# Altium PCB PCB2_dirt_routed.PcbDoc (part 1 of 2)
Units mm, origin at the board's own origin, x right, y up, seen from the top; angles counter-clockwise.
Board outline 72 x 72 mm, 4 copper layers (Top Layer, Signal Layer 1, Signal Layer 2, Bottom Layer), stack 0.778 mm thick; 110 components, 127 nets, 562 pads, 275 vias.
Unrouted connection lines stored in the file: 10.
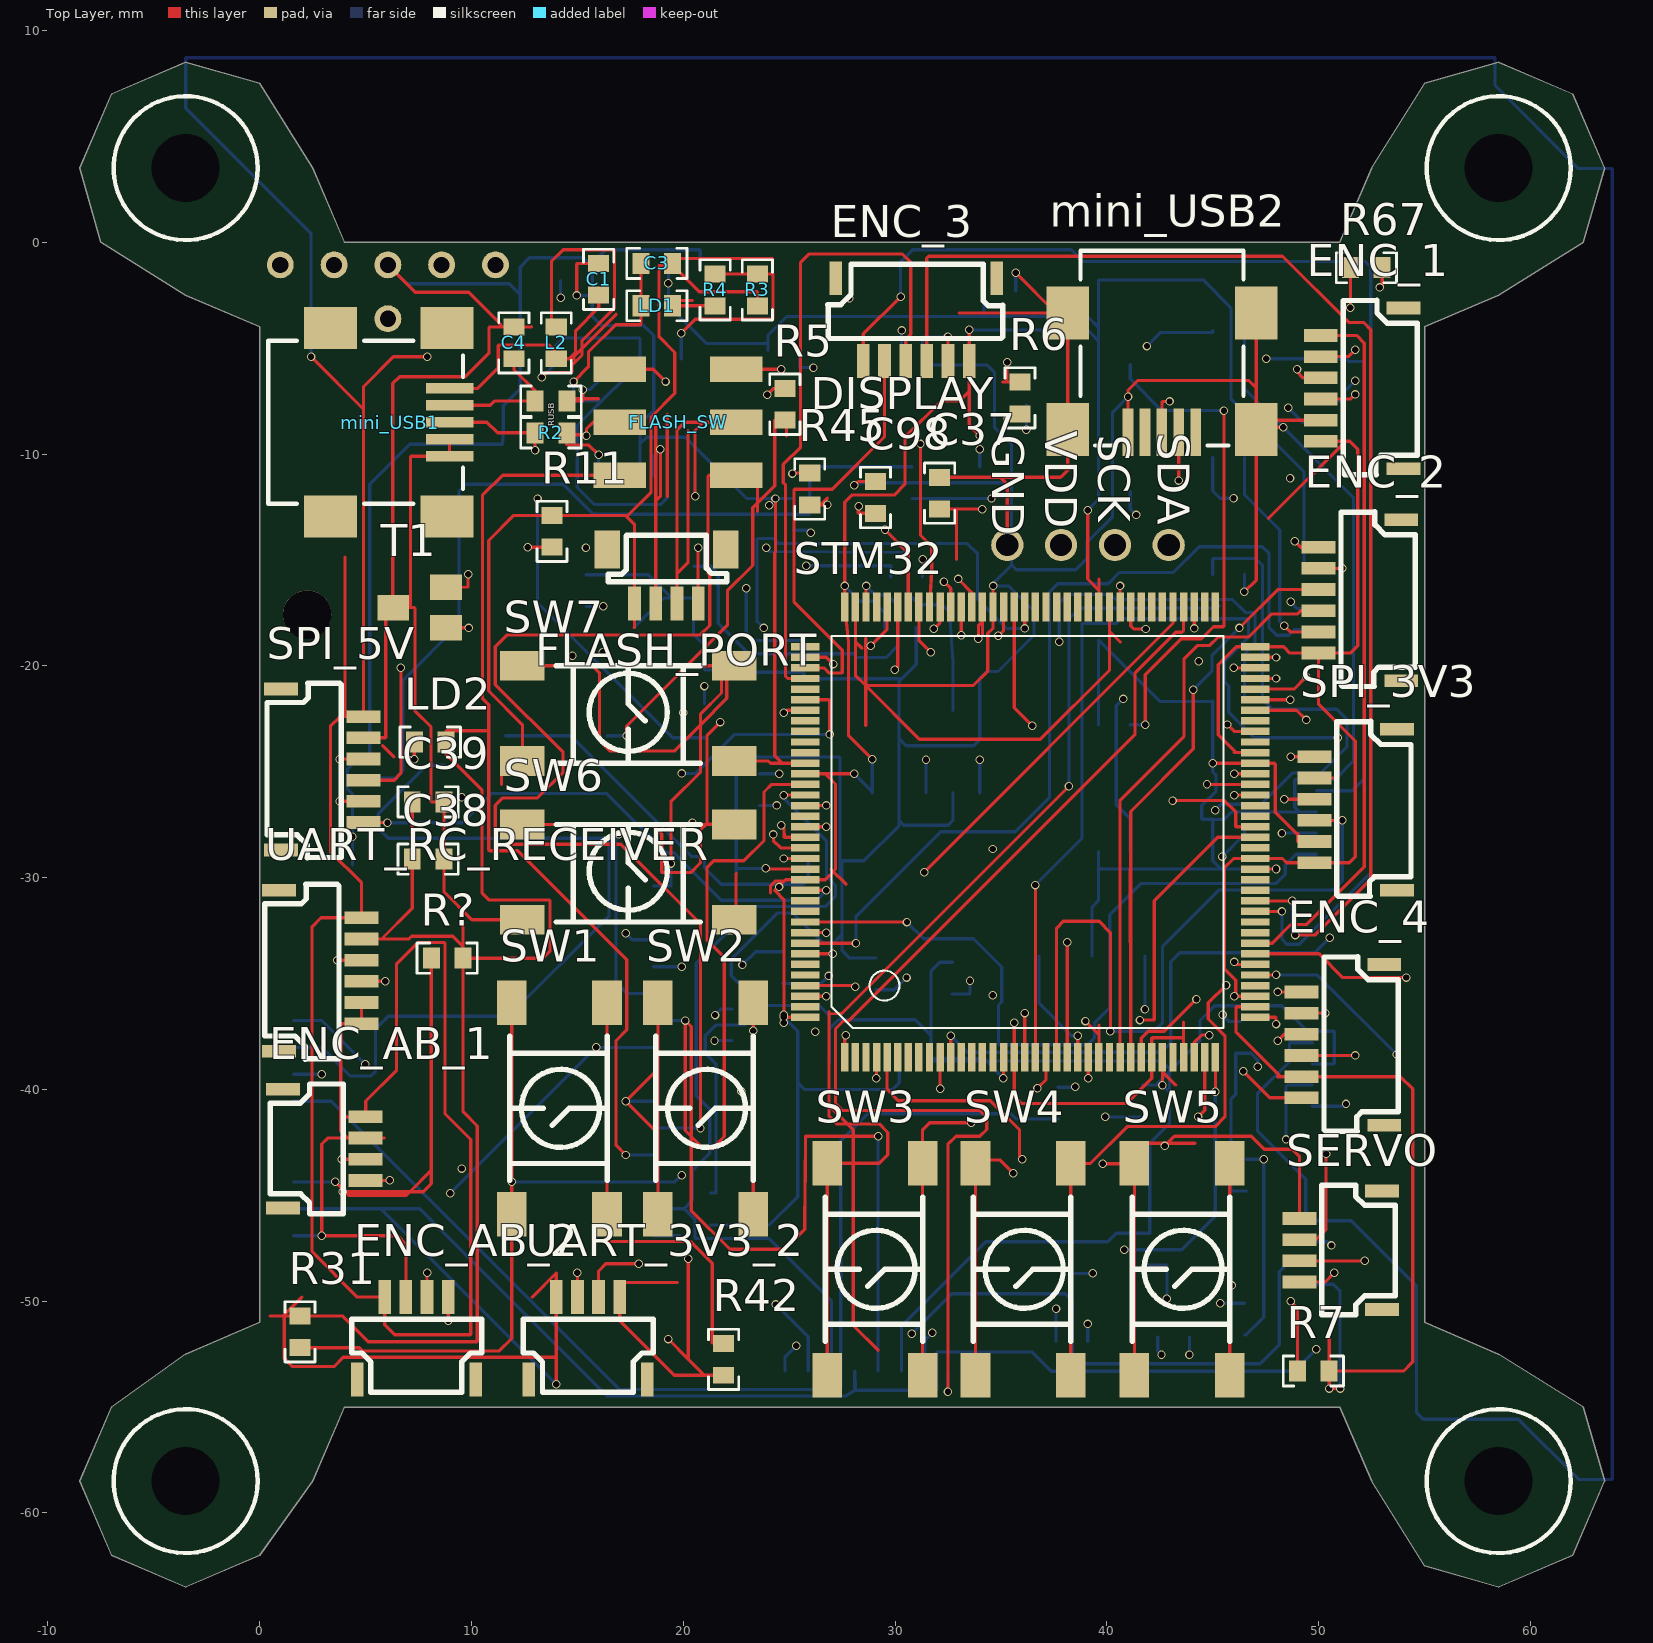
[diagram p0: Top Layer view]
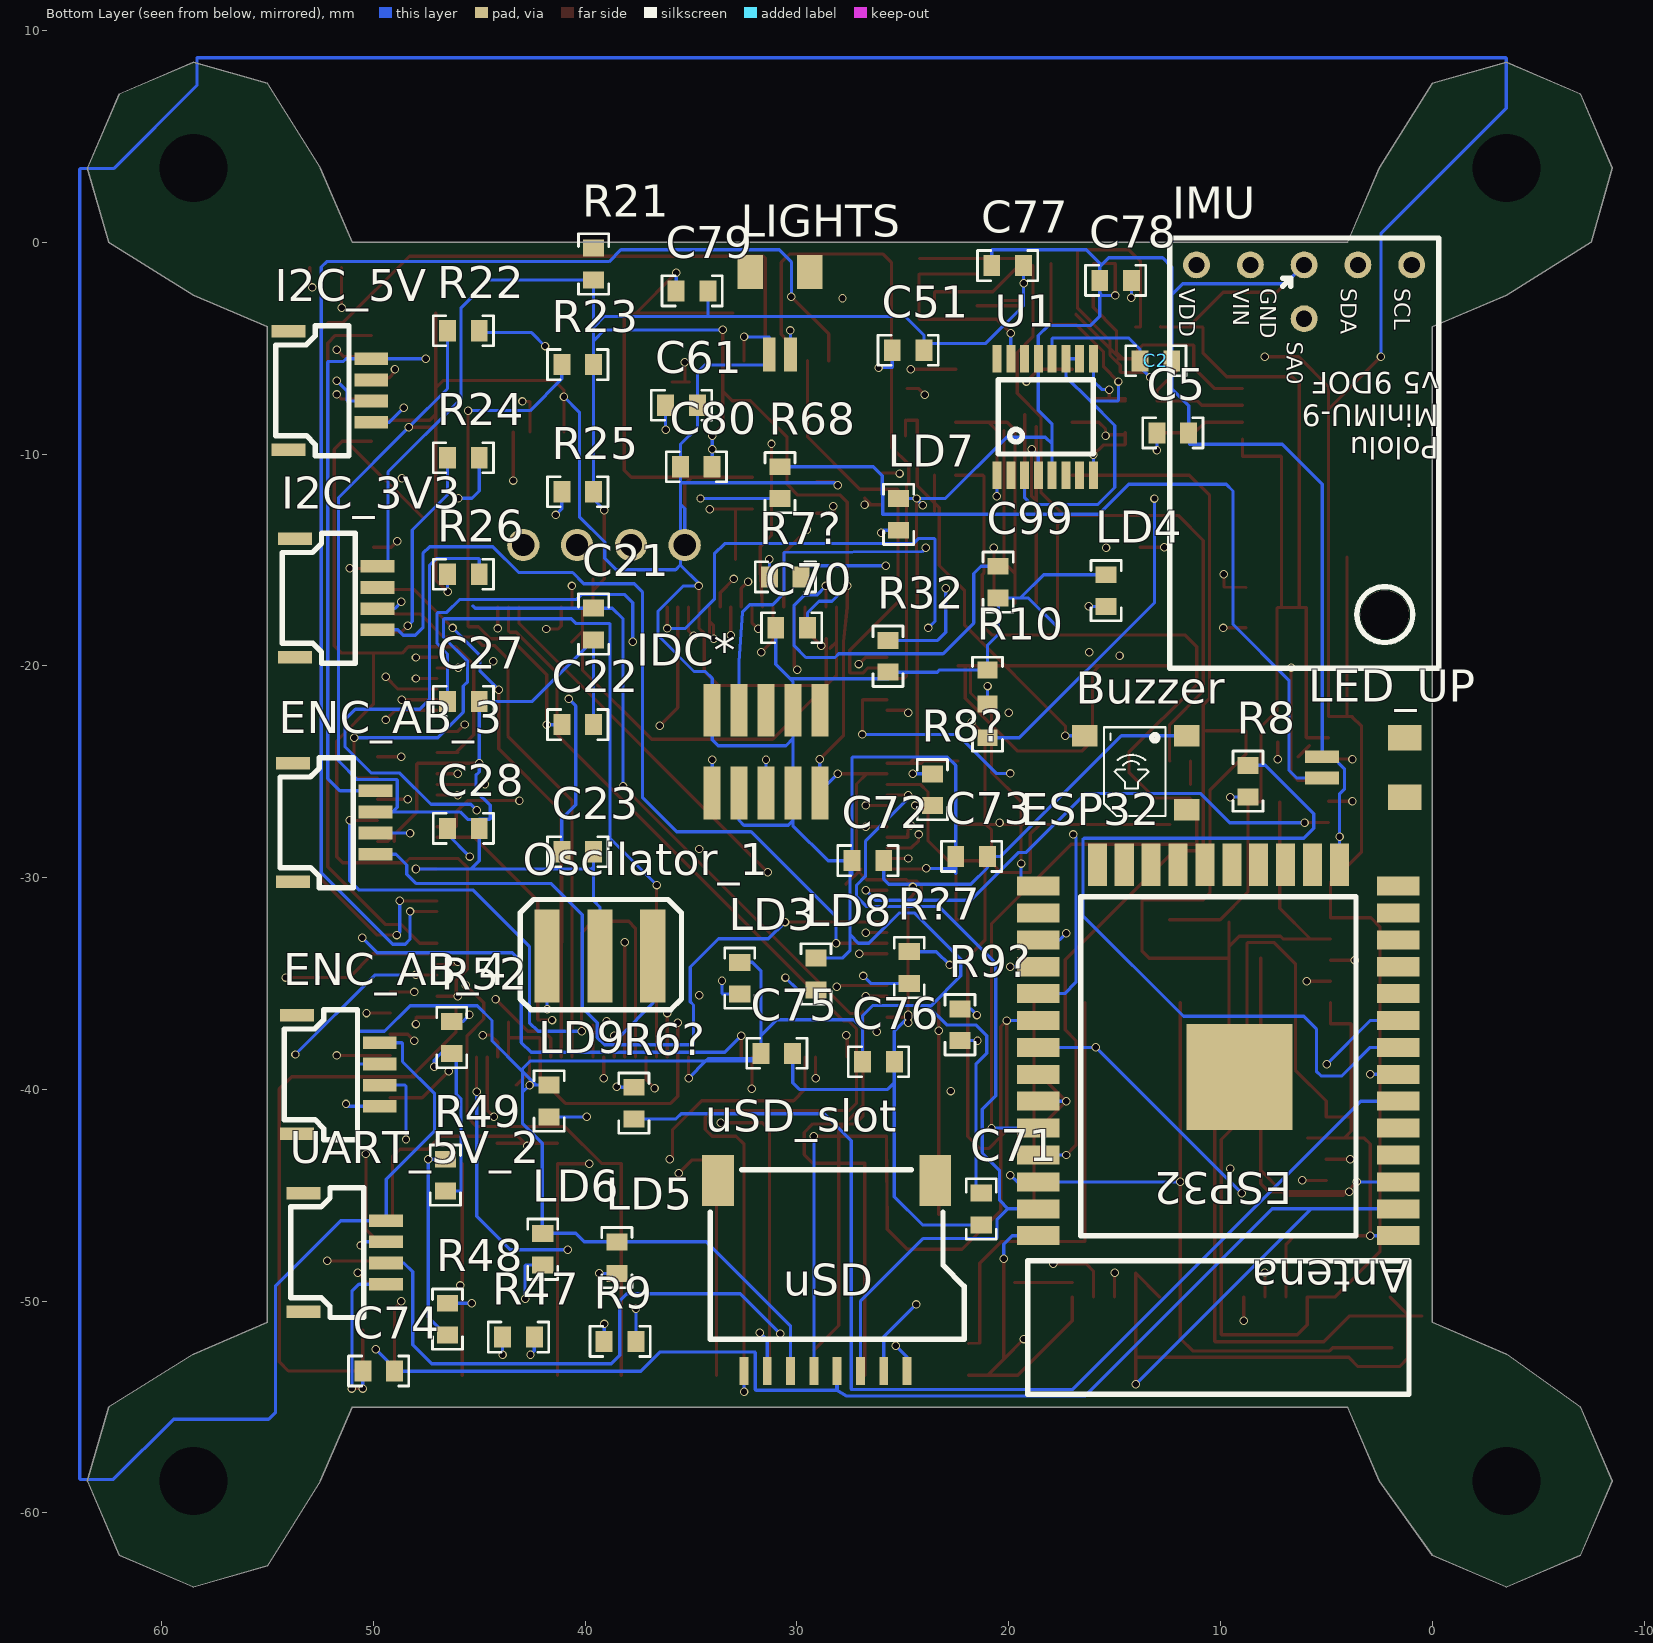
[diagram p1: Bottom Layer view, seen from below]
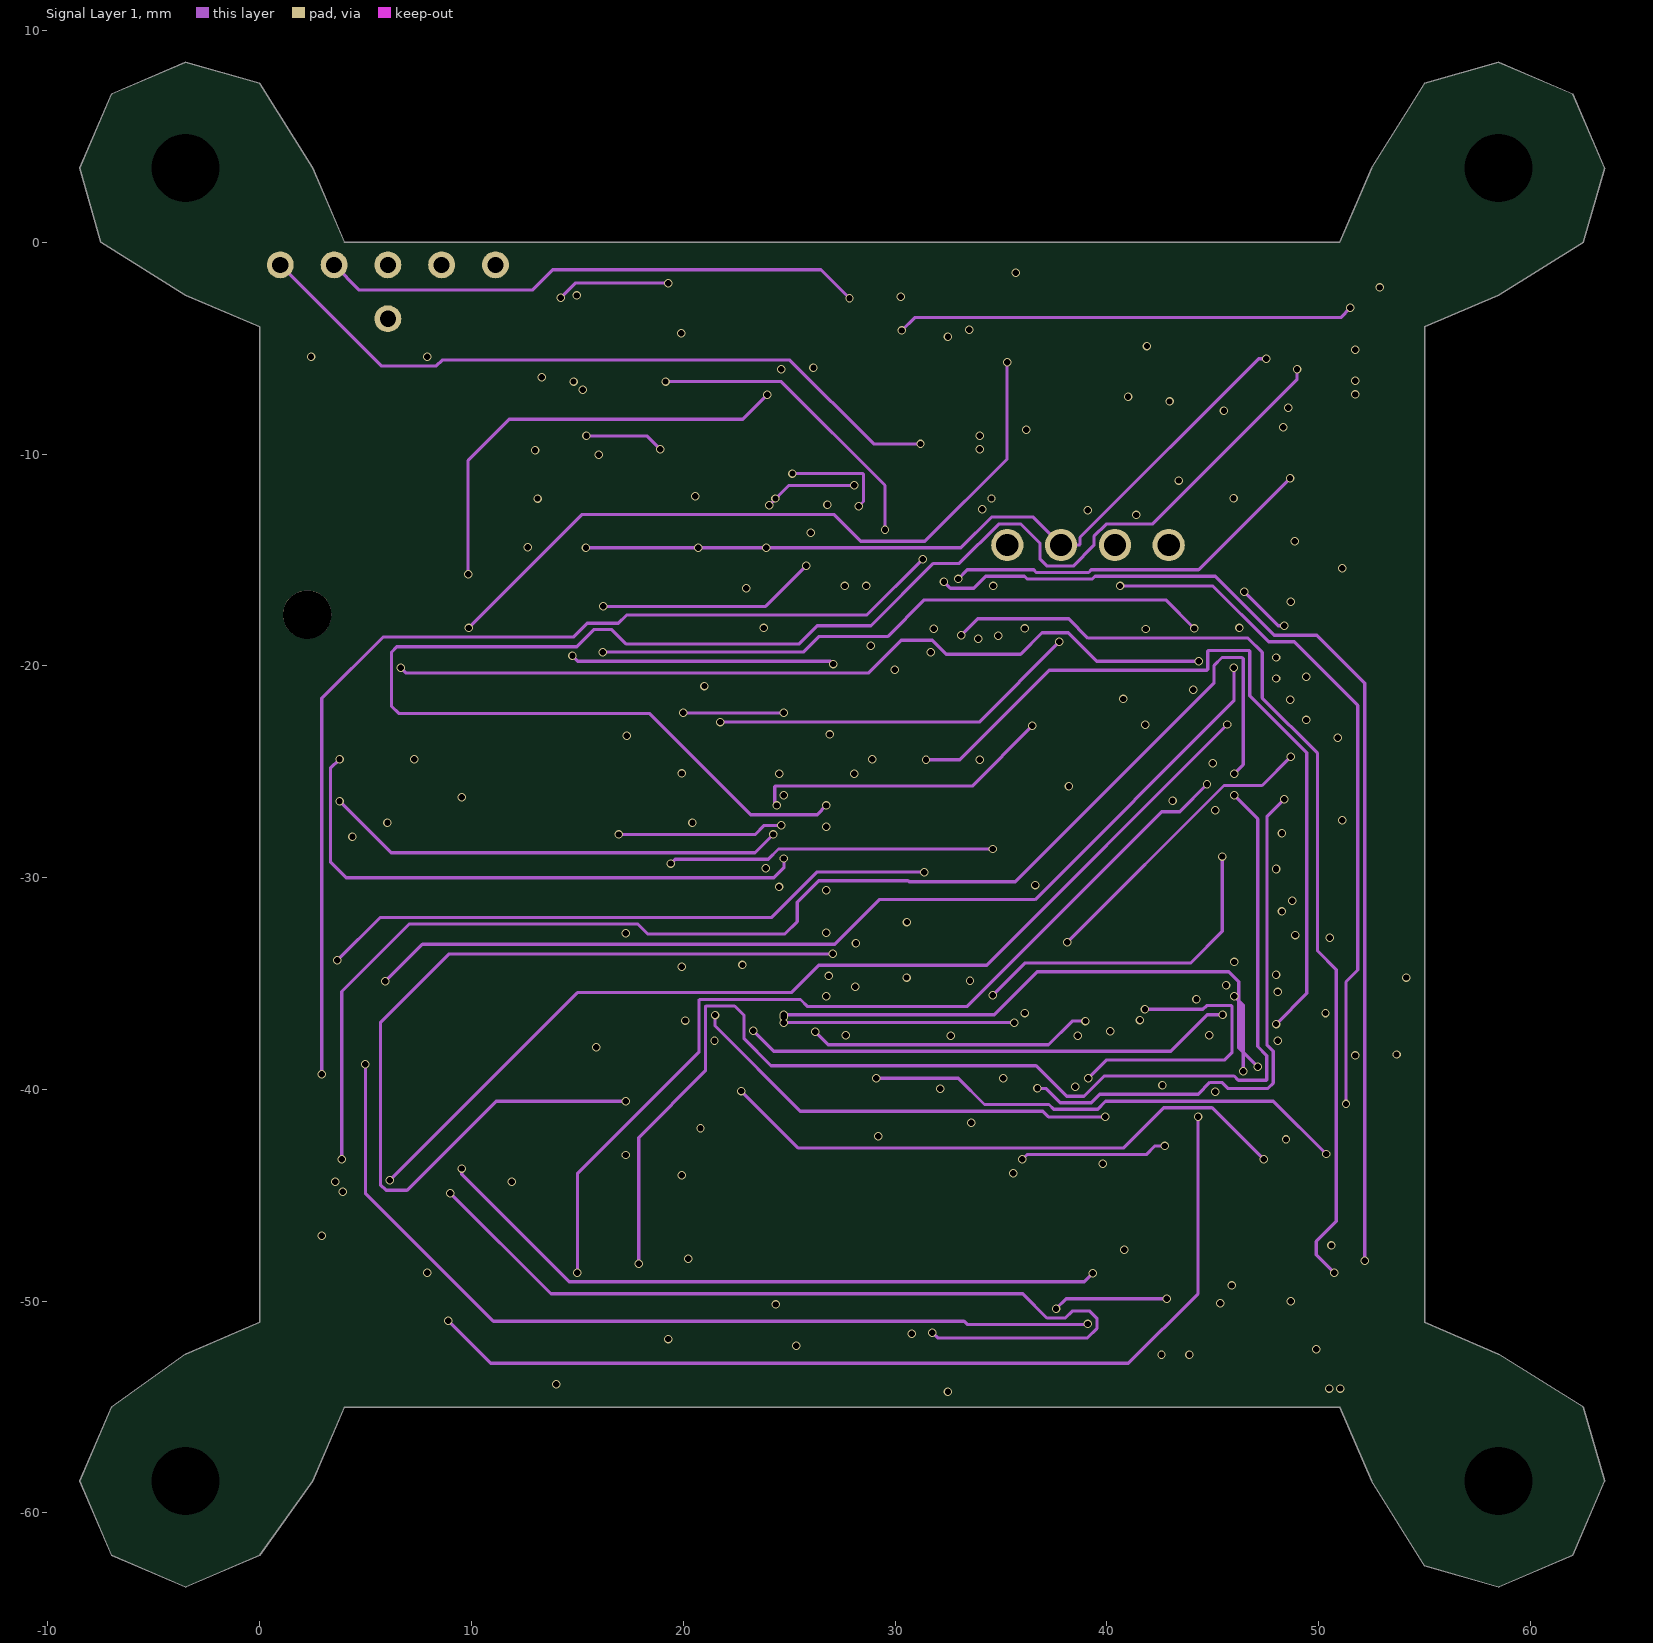
[diagram p2: Signal Layer 1]
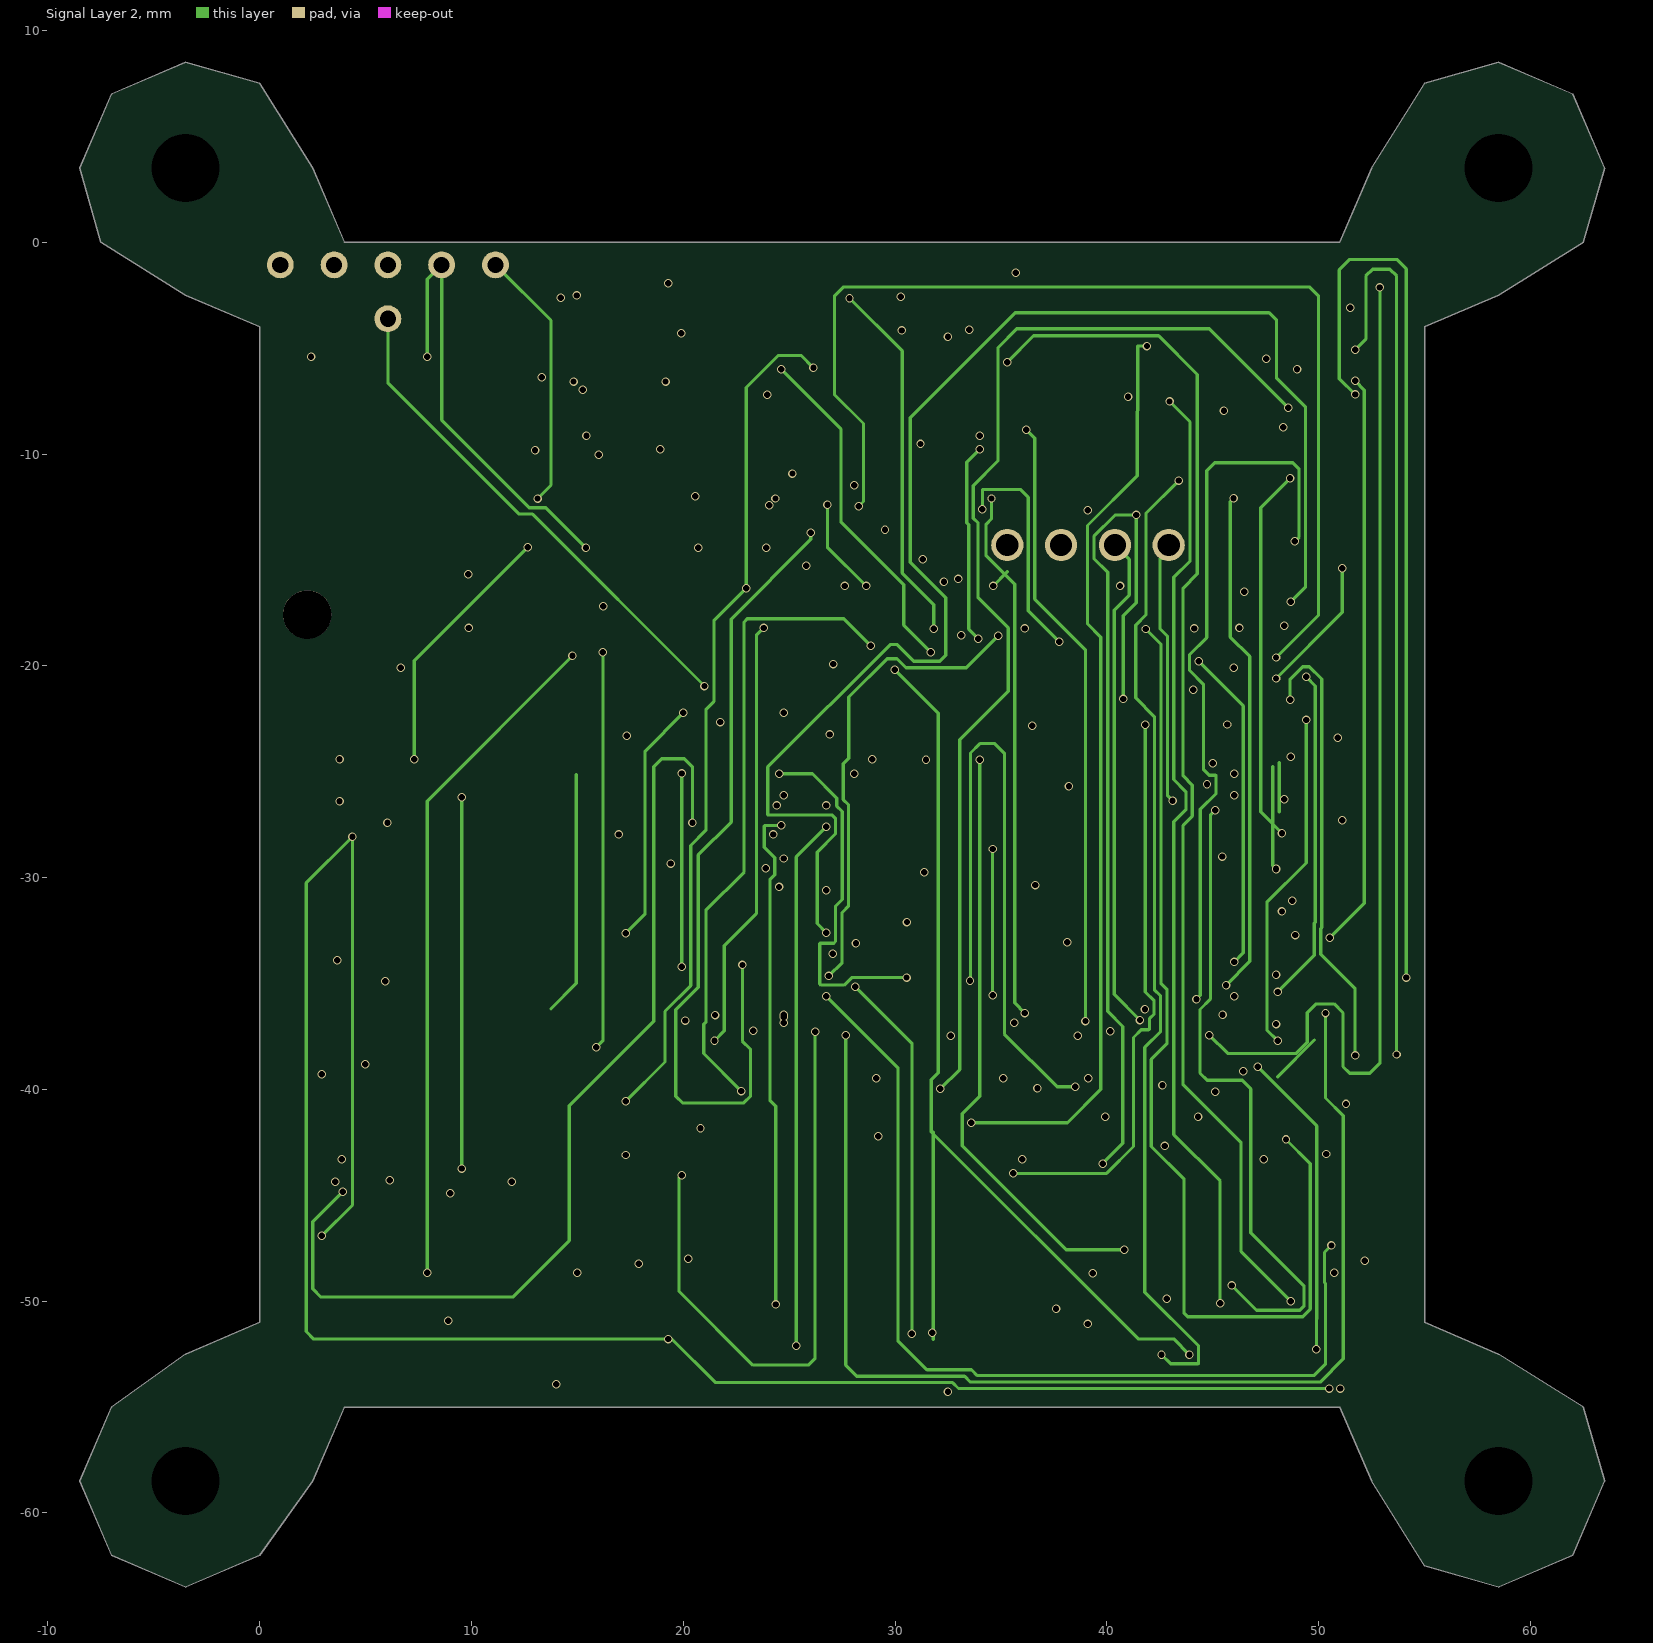
[diagram p3: Signal Layer 2]

## Layer stack, top to bottom
Top Solder: solder mask 0.0102, Solder Resist, Dk 3.5
Top Layer: signal copper 0.0356
Dielectric 1: core 0.254, FR-4, Dk 4.2
Signal Layer 1: signal copper 0.036
Dielectric 3: prepreg 0.127, Dk 4.2
Signal Layer 2: signal copper 0.036
Dielectric 2: core 0.254, Dk 4.2
Bottom Layer: signal copper 0.0356
Bottom Solder: solder mask 0.0102, Solder Resist, Dk 3.5

## Board outline
-7,-62 -3.5,-63.5 0,-62 2.5,-58.5 4,-55 51,-55 52.5,-58.5 55,-62.5 58.5,-63.5 62,-62 63.5,-58.5 62.5,-55 58.5,-52.5 55,-51 55,-4 58.5,-2.5 62.5,0 63.5,3.5 62,7 58.5,8.5 55,7.5 52.5,3.5 51,0 4,0 2.5,3.5 0,7.5 -3.5,8.5 -7,7 -8.5,3.5 -7.5,0 -3.5,-2.5 0,-4 0,-51 -3.5,-52.5 -7,-55 -8.5,-58.5

## Design rules (kind name [scope] priority, off if disabled: settings)
Clearance [All] p1: gap=0.152
PolygonConnect [All] p1: connectstyle=Relief reliefconductorwidth=0.254 reliefentries=4 polygonreliefangle="90 Angle" airgapwidth=0.254
RoutingVias [All] p1: holewidth=0.3 width=0.4 viastyle="Through Hole" minholewidth=0.3 minwidth=0.4 maxholewidth=0.5 maxwidth=0.6
SolderMaskExpansion [All] p1: expansion=0.102
Width [All] p1: maxlimit=0.254 minlimit=0.152 preferedwidth=0.152 minimp=50.000000 maximp=50.000000 favimp=50.000000
30 further rules are at their usual default settings.

## Components (designator, comment, footprint, x,y, rotation, side; value= is the part's Value field where it differs from the comment)
Buzzer "magnectic_buzzer" SMT-0540-S-R 11.6,-23.3 r90 bottom
C1 "0u1" 0603 16,-1 r270 top
C2 "10u" 0603 12.3,-5.6 r0 bottom
C3 "0u1" 0603 18,-1 r0 top
C4 "47p" 0603 12,-5.5 r90 top
C5 "47p" 0603 13,-9 r180 bottom
C21 "100n" 0603 39.6,-17.279 r270 bottom
C22 "100n" 0603 41.1,-22.779 r180 bottom
C23 "100n" 0603 41.1,-28.779 r180 bottom
C27 "0.1uF" 0603 46.5,-21.679 r180 bottom
C28 "0.1uF" 0603 46.5,-27.679 r180 bottom
C37 "0.1uF" 0603 32.1,-12.6 r90 top
C38 "22uF" 0603 8.7,-29.125 r180 top
C39 "0.1uF" 0603 8.7,-26.425 r180 top
C51 "100n" 0603 25.5,-5.1 r180 bottom
C61 "100n" 0603 36.2,-7.7 r180 bottom
C70 "4u7" 0603 31,-18.2 r180 bottom
C71 "100n" 0603 21.3,-44.9 r270 bottom
C72 "100n" 0603 27.4,-29.2 r180 bottom
C73 "100n" 0603 22.5,-29 r180 bottom
C74 "100n" 0603 50.5,-53.3 r180 bottom
C75 "100n" 0603 31.7,-38.3 r180 bottom
C76 "100n" 0603 26.9,-38.7 r180 bottom
C77 "100n" 0603 20.8,-1.1 r180 bottom
C78 "100n" 0603 15.7,-1.8 r180 bottom
C79 "100n" 0603 35.7,-2.3 r180 bottom
C80 "100n" 0603 35.5,-10.6 r180 bottom
C98 "C2u2-ESRmax2" 0603 29.075,-12.8 r90 top
C99 "C2u2-ESRmax2" 0603 20.5,-16.8 r90 bottom
DISPLAY "SSD1306" SSD1306 35.3,-14.3 r0 top
ENC_1 "SPI_1" "JST SR SH 1.0 - 6PIN" 54,-10.7 r90 top
ENC_2 "SPI_2" "JST SR SH 1.0 - 6PIN" 53.9,-20.7 r90 top
ENC_3 "SPI_3" "JST SR SH 1.0 - 6PIN" 34.8,-1.7 r180 top
ENC_4 "SPI_4" "JST SR SH 1.0 - 6PIN" 53.1,-41.7 r90 top
ENC_AB_1 "4 PIN CONNECTOR" "JST SR SH 1.0 - 4PIN" 1.1,-40 r270 top
ENC_AB_2 "4 PIN CONNECTOR" "JST SR SH 1.0 - 4PIN" 4.6,-53.7 r0 top
ENC_AB_3 "4 PIN CONNECTOR" "JST SR SH 1.0 - 4PIN" 53.8,-24.6 r270 bottom
ENC_AB_4 "4 PIN CONNECTOR" "JST SR SH 1.0 - 4PIN" 53.6,-36.5 r270 bottom
ESP32 "ESP-WROOM-32" ESP-WROOM-32 10.1,-30.4 r0 bottom
FLASH_PORT "UART_1" "JST SR SH 1.0 TOP - 4PIN" 22,-14.5 r180 top
FLASH_SW "DPDT_C&K" JS202011SCQN_C&K 22.5,-6 r270 top (schematic designator SW_DPDT_USER_USB)
I2C_3V3 "I2C_1" "JST SR SH 1.0 - 4PIN" 53.7,-14 r270 bottom
I2C_5V "I2C_2" "JST SR SH 1.0 - 4PIN" 54,-4.2 r270 bottom
IDC* "IDC" IDC_10_1.27 34,-26 r180 bottom
IMU "MinIMU-9 v5 9DOF" "MinIMU-9 v5 9DOF - GOLDPINS" 12.4,0.2 r0 bottom
L2 "1u" R0603 14,-5.5 r90 top
LD1 "GREEN" 0603 18,-3 r0 top
LD2 "GREEN" 0603 8.8,-23.6 r180 top
LD3 "BLUE_BT" 0603 32.7,-35.5 r90 bottom
LD4 "BLUE_WIFI" 0603 15.4,-17.2 r90 bottom
LD5 "BLUE_STM" 0603 38.5,-48.7 r90 bottom
LD6 "RED_FAULT" 0603 42,-48.3 r90 bottom
LD7 "BLUE_WIFI" 0603 25.2,-13.6 r90 bottom
LD8 "BLUE_STM" 0603 29.1,-35.3 r90 bottom
LD9 "RED_FAULT" 0603 41.7,-41.3 r90 bottom
LED_UP "2 PIN CONNECTOR" "JST SR SH 1.0 - 2pin" 1.3,-26.2 r90 bottom
LIGHTS "2 PIN CONNECTOR" "JST SR SH 1.0 - 2pin" 29.4,-1.4 r0 bottom
mini_USB1 "651305142821" 651305142821 5,-8.5 r270 top
mini_USB2 "651305142821" 651305142821 42.6,-5 r180 top
Oscilator_1 "CSTCC8M00G53-R0" CSTCC8M00G53-R0 41.8,-33.7 r180 bottom
R2 "27" R0603 14.5,-9 r180 top
R3 "3k3" R0603 23.5,-1.5 r270 top
R4 "220" R0603 21.5,-3 r90 top
R5 "27" R0603 24.8,-8.4 r90 top
R6 "1k" R0603 35.9,-8.1 r90 top
R6? "220" R0603 37.7,-41.4 r90 bottom
R7 "10k" R0603 50.5,-53.3 r180 top
R7? "220" R0603 31.3,-15.8 r180 bottom
R8 "220" R0603 8.7,-24.7 r270 bottom
R8? "220" R0603 23.6,-26.6 r90 bottom
R9 "220" R0603 39.1,-51.9 r180 bottom
R9? "220" R0603 22.3,-37.7 r90 bottom
R10 "10k" "R0603 - double" 21,-21.8 r90 bottom
R11 "220" R0603 13.8,-14.4 r90 top
R21 "10k" R0603 39.6,-0.279 r270 bottom
R22 "330" R0603 46.5,-4.179 r180 bottom
R23 "10k" R0603 41.1,-5.779 r180 bottom
R24 "330" R0603 46.5,-10.179 r180 bottom
R25 "10k" R0603 41.1,-11.779 r180 bottom
R26 "330" R0603 46.5,-15.679 r180 bottom
R31 "10k" R0603 1.9,-52.2 r90 top
R32 "10k" R0603 25.7,-20.3 r90 bottom
R42 "330" R0603 21.9,-53.5 r90 top
R45 "0" R0603 25.975,-12.4 r90 top
R47 "22" R0603 43.9,-51.7 r180 bottom
R48 "22" R0603 46.5,-51.6 r90 bottom
R49 "1.5k" R0603 46.6,-44.8 r90 bottom
R52 "330" R0603 46.3,-38.3 r90 bottom
R67 "1K" R0603 53,-1.2 r180 top
R68 "270" R0603 30.8,-12.1 r90 bottom
R? "10k" R0603 8.1,-33.8 r0 top
R?7 "220" R0603 24.7,-35 r90 bottom
RUSB "27" R0603 14.5,-7.5 r180 top (schematic designator R1)
SERVO "TIMERS" "JST SR SH 1.0 - 4PIN" 53,-50.4 r90 top
SPI_3V3 "SPI_5" "JST SR SH 1.0 - 6PIN" 53.7,-30.6 r90 top
SPI_5V "SPI_6" "JST SR SH 1.0 - 6PIN" 1,-21.1 r270 top
STM32 "STM32F765ZIT6" LQFP144 47,-36.6 r0 top
SW1 "RESET" "LSH Gullwing" 16.4,-35.9 r90 top
SW2 "BOOT" "LSH Gullwing" 23.3,-35.9 r90 top
SW3 "LEFT" "LSH Gullwing" 31.3,-43.5 r90 top
SW4 "MIDDLE" "LSH Gullwing" 38.3,-43.5 r90 top
SW5 "RIGHT" "LSH Gullwing" 45.8,-43.5 r90 top
SW6 "RESET" "LSH Gullwing" 12.4,-27.496 r180 top
SW7 "BOOT" "LSH Gullwing" 12.4,-19.996 r180 top
T1 "NPN" SOT23 8.8,-18.2 r90 top
U1 "FT230XS" SSOP16 16,-5.5 r180 bottom
UART_3V3_2 "UART_4PIN" "JST SR SH 1.0 - 4PIN" 12.7,-53.7 r0 top
UART_5V_2 "UART_4PIN" "JST SR SH 1.0 - 4PIN" 53.3,-44.9 r270 bottom
UART_RC_RECEIVER "UART_X" "JST SR SH 1.0 - 6PIN" 0.9,-30.6 r270 top
uSD_slot "ATTEND 112K-TAA0-RA1" "ATTEND 112K-TAA0-RA1" 34.1,-44.3 r180 bottom

## Footprints (in the part's own frame and the unit in brackets; to place one, negate y for a bottom-side part, rotate by r counter-clockwise, add the part's x,y. Pads: shape width x height; smd on the part's side, far side on the other; paste and mask are expansions set on the pad)
0603 [mm]
  rect 0.8x1 smd: 1(0,0) 2(1.5,0)
  silkscreen extent -0.67,-0.71 2.17,0.71, body extent -0.01,-0.43 1.59,0.43, height 0.83
651305142821 [mm] "Mini USB 2.0 Type AB SMT Horizontal 5 Contacts"
  rect 0.5x2.25 smd: 1(-1.6,3.965) 2(-0.8,3.965) 3(0,3.965) 4(0.8,3.965) 5(1.6,3.965)
  rect 2x2.5 smd: Shell(-4.45,3.84) Shell(-4.45,-1.66) Shell(4.45,3.84) Shell(4.45,-1.66)
  silkscreen extent -3.85,-4.6 3.85,4.6, body extent -4.95,-4.6 4.95,4.8, height 4.1
"ATTEND 112K-TAA0-RA1" [mm]
  rect 0.42x1.3 smd: 1(9.3,-9) 2(8.2,-9) 3(7.1,-9) 4(6,-9) 5(4.9,-9) 6(3.8,-9) 7(2.7,-9) 8(1.6,-9)
  rect 1.5x2.4 smd: ""(0.37,0) ""(10.63,0)
  silkscreen extent 0,-7.5 12,0.5, body extent 0,-8.96 12.1,1, height 1.49
CSTCC8M00G53-R0 [mm]
  rect 1.2x4.4 smd: 1(0,0) 2(2.5,0) 3(5,0)
  silkscreen extent -1.27,-2.54 6.35,2.67, body extent -1.06,-1.52 6.14,1.48, height 1.25
ESP-WROOM-32 [mm]
  rect 2x0.9 smd: 1(-8.5,16.51) 2(-8.5,15.24) 3(-8.5,13.97) 4(-8.5,12.7) 5(-8.5,11.43) 6(-8.5,10.16) 7(-8.5,8.89) 8(-8.5,7.62) 9(-8.5,6.35) 10(-8.5,5.08) 11(-8.5,3.81) 12(-8.5,2.54) 13(-8.5,1.27) 14(-8.5,0) 25(8.5,0) 26(8.5,1.27) 27(8.5,2.54) 28(8.5,3.81) 29(8.5,5.08) 30(8.5,6.35) 31(8.5,7.62) 32(8.5,8.89) 33(8.5,10.16) 34(8.5,11.43) 35(8.5,12.7) 36(8.5,13.97) 37(8.5,15.24) 38(8.5,16.51)
  rect 0.9x2 smd: 15(-5.715,-1) 16(-4.445,-1) 17(-3.175,-1) 18(-1.905,-1) 19(-0.635,-1) 20(0.635,-1) 21(1.905,-1) 22(3.175,-1) 23(4.445,-1) 24(5.715,-1)
  rect 5x5 smd: ""(-1,9.01)
  silkscreen extent -9,0.51 9,24, body extent -9,-1.5 9,24, height 2.91
IDC_10_1.27 [mm]
  rect 0.8x2.5 smd: 1(0,0) 2(1.27,0) 3(2.54,0) 4(3.81,0) 5(5.08,0) 6(0,3.9) 7(1.27,3.9) 8(2.54,3.9) 9(3.81,3.9) 10(5.08,3.9)
  body extent -3.85,-0.84 8.75,4.83, height 5.65
JS202011SCQN_C&K [mm]
  rect 1.2x2.5 smd: 1(0,-5.5) 2(2.5,-5.5) 3(5,-5.5) 4(0,0) 5(2.5,0) 6(5,0)
  body extent -2,-6.55 7,0.95, height 5.52
"JST SR SH 1.0 - 2pin" [mm]
  rect 1.2x1.6 smd: 0(0,0) 0(2.8,0)
  rect 0.6x1.6 smd: 1(0.9,3.9) 2(1.9,3.9)
  body extent -0.59,-0.87 3.4,4.12, height 3
"JST SR SH 1.0 - 4PIN" [mm]
  rect 0.6x1.6 smd: 1(1.3,3.9) 2(2.3,3.9) 3(3.3,3.9) 4(4.3,3.9) 7(5.6,0) 8(0,0)
  silkscreen extent -0.25,-0.61 5.87,2.85, body extent -0.22,-0.75 5.77,4.2, height 2.96
"JST SR SH 1.0 - 6PIN" [mm]
  rect 0.6x1.6 smd: 1(1.3,3.9) 2(2.3,3.9) 3(3.3,3.9) 4(4.3,3.9) 5(5.3,3.9) 6(6.3,3.9) 7(7.6,0) 8(0,0)
  silkscreen extent -0.28,-0.66 7.98,2.84, body extent -0.16,-0.66 7.84,4.29, height 2.9
"JST SR SH 1.0 TOP - 4PIN" [mm]
  rect 0.6x1.6 smd: 1(1.3,2.55) 2(2.3,2.55) 3(3.3,2.55) 4(4.3,2.55)
  rect 1.2x1.8 smd: 7(5.6,0) 8(0,0)
  silkscreen extent -0.05,-0.66 5.55,1.52, body extent -0.22,-0.88 5.77,2.72, height 4.35
LQFP144 [mm]
  rect 0.35x1.35 smd: 1(-19.375,-1.875) 2(-18.875,-1.875) 3(-18.375,-1.875) 4(-17.875,-1.875) 5(-17.375,-1.875) 6(-16.875,-1.875) 7(-16.375,-1.875) 8(-15.875,-1.875) 9(-15.375,-1.875) 10(-14.875,-1.875) 11(-14.375,-1.875) 12(-13.875,-1.875) 13(-13.375,-1.875) 14(-12.875,-1.875) 15(-12.375,-1.875) 16(-11.875,-1.875) 17(-11.375,-1.875) 18(-10.875,-1.875) 19(-10.375,-1.875) 20(-9.875,-1.875) 21(-9.375,-1.875) 22(-8.875,-1.875) 23(-8.375,-1.875) 24(-7.875,-1.875) 25(-7.375,-1.875) 26(-6.875,-1.875) 27(-6.375,-1.875) 28(-5.875,-1.875) 29(-5.375,-1.875) 30(-4.875,-1.875) 31(-4.375,-1.875) 32(-3.875,-1.875) 33(-3.375,-1.875) 34(-2.875,-1.875) 35(-2.375,-1.875) 36(-1.875,-1.875) 73(-1.875,19.375) 74(-2.375,19.375) 75(-2.875,19.375) 76(-3.375,19.375) 77(-3.875,19.375) 78(-4.375,19.375) 79(-4.875,19.375) 80(-5.375,19.375) 81(-5.875,19.375) 82(-6.375,19.375) 83(-6.875,19.375) 84(-7.375,19.375) 85(-7.875,19.375) 86(-8.375,19.375) 87(-8.875,19.375) 88(-9.375,19.375) 89(-9.875,19.375) 90(-10.375,19.375) 91(-10.875,19.375) 92(-11.375,19.375) 93(-11.875,19.375) 94(-12.375,19.375) 95(-12.875,19.375) 96(-13.375,19.375) 97(-13.875,19.375) 98(-14.375,19.375) 99(-14.875,19.375) 100(-15.375,19.375) 101(-15.875,19.375) 102(-16.375,19.375) 103(-16.875,19.375) 104(-17.375,19.375) 105(-17.875,19.375) 106(-18.375,19.375) 107(-18.875,19.375) 108(-19.375,19.375)